# KiCad board ILM139C.kicad_pcb (continued)
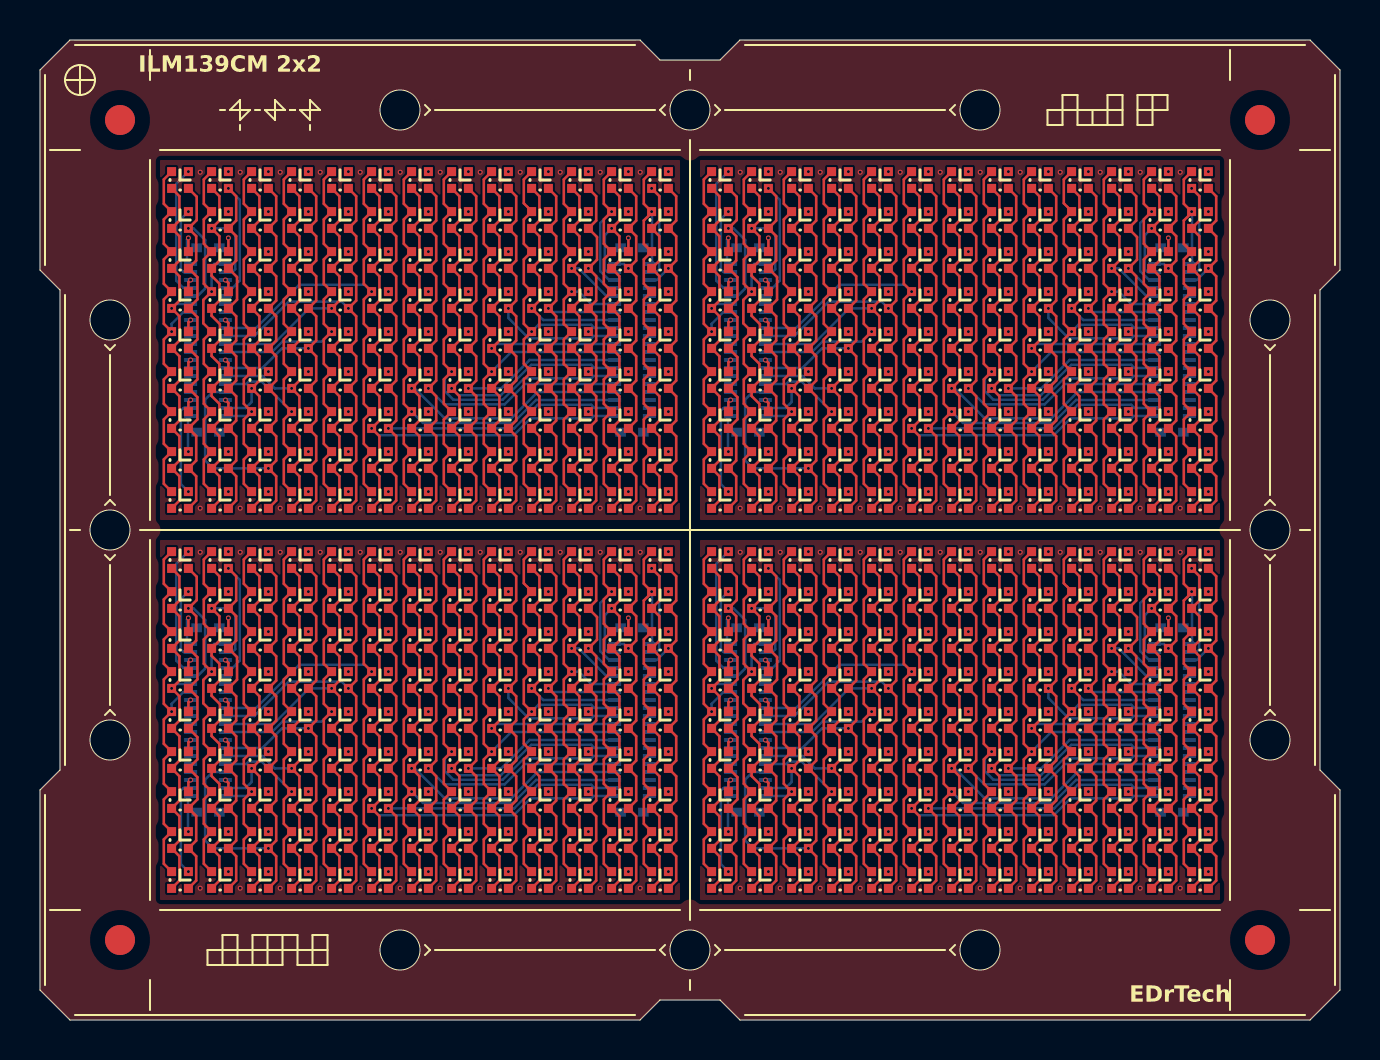
[diagram p0: board, top side]
## Nets (continued)
SW5: CN4.8 CN4.33 CN4#2.8 CN4#2.33 CN4#3.8 CN4#3.33 CN4#4.8 CN4#4.33 U6.1 U6#2.1 U6#3.1 U6#4.1 U15.1 U15#2.1 U15#3.1 U15#4.1 U24.1 U24#2.1 U24#3.1 U24#4.1 U41.1 U41#2.1 U41#3.1 U41#4.1 U42.1 U42#2.1 U42#3.1 U42#4.1 U43.1 U43#2.1 U43#3.1 U43#4.1 U68.1 U68#2.1 U68#3.1 U68#4.1 U69.1 U69#2.1 U69#3.1 U69#4.1 U70.1 U70#2.1 U70#3.1 U70#4.1 U95.1 U95#2.1 U95#3.1 U95#4.1 U96.1 U96#2.1 U96#3.1 U96#4.1 U97.1 U97#2.1 U97#3.1 U97#4.1 U114.1 U114#2.1 U114#3.1 U114#4.1
SW6: CN4.13 CN4.28 CN4#2.13 CN4#2.28 CN4#3.13 CN4#3.28 CN4#4.13 CN4#4.28 U7.1 U7#2.1 U7#3.1 U7#4.1 U16.1 U16#2.1 U16#3.1 U16#4.1 U25.1 U25#2.1 U25#3.1 U25#4.1 U44.1 U44#2.1 U44#3.1 U44#4.1 U45.1 U45#2.1 U45#3.1 U45#4.1 U46.1 U46#2.1 U46#3.1 U46#4.1 U71.1 U71#2.1 U71#3.1 U71#4.1 U72.1 U72#2.1 U72#3.1 U72#4.1 U73.1 U73#2.1 U73#3.1 U73#4.1 U98.1 U98#2.1 U98#3.1 U98#4.1 U99.1 U99#2.1 U99#3.1 U99#4.1 U100.1 U100#2.1 U100#3.1 U100#4.1 U115.1 U115#2.1 U115#3.1 U115#4.1
SW7: CN4.18 CN4.23 CN4#2.18 CN4#2.23 CN4#3.18 CN4#3.23 CN4#4.18 CN4#4.23 U8.1 U8#2.1 U8#3.1 U8#4.1 U17.1 U17#2.1 U17#3.1 U17#4.1 U26.1 U26#2.1 U26#3.1 U26#4.1 U47.1 U47#2.1 U47#3.1 U47#4.1 U48.1 U48#2.1 U48#3.1 U48#4.1 U49.1 U49#2.1 U49#3.1 U49#4.1 U74.1 U74#2.1 U74#3.1 U74#4.1 U75.1 U75#2.1 U75#3.1 U75#4.1 U76.1 U76#2.1 U76#3.1 U76#4.1 U101.1 U101#2.1 U101#3.1 U101#4.1 U102.1 U102#2.1 U102#3.1 U102#4.1 U103.1 U103#2.1 U103#3.1 U103#4.1 U116.1 U116#2.1 U116#3.1 U116#4.1
SW8: CN4.21 CN4#2.21 CN4#3.21 CN4#4.21 U9.1 U9#2.1 U9#3.1 U9#4.1 U18.1 U18#2.1 U18#3.1 U18#4.1 U27.1 U27#2.1 U27#3.1 U27#4.1 U50.1 U50#2.1 U50#3.1 U50#4.1 U51.1 U51#2.1 U51#3.1 U51#4.1 U52.1 U52#2.1 U52#3.1 U52#4.1 U77.1 U77#2.1 U77#3.1 U77#4.1 U78.1 U78#2.1 U78#3.1 U78#4.1 U79.1 U79#2.1 U79#3.1 U79#4.1 U104.1 U104#2.1 U104#3.1 U104#4.1 U105.1 U105#2.1 U105#3.1 U105#4.1 U106.1 U106#2.1 U106#3.1 U106#4.1 U117.1 U117#2.1 U117#3.1 U117#4.1
SW9: CN4.22 CN4#2.22 CN4#3.22 CN4#4.22 U10.1 U10#2.1 U10#3.1 U10#4.1 U19.1 U19#2.1 U19#3.1 U19#4.1 U28.1 U28#2.1 U28#3.1 U28#4.1 U53.1 U53#2.1 U53#3.1 U53#4.1 U54.1 U54#2.1 U54#3.1 U54#4.1 U55.1 U55#2.1 U55#3.1 U55#4.1 U80.1 U80#2.1 U80#3.1 U80#4.1 U81.1 U81#2.1 U81#3.1 U81#4.1 U82.1 U82#2.1 U82#3.1 U82#4.1 U107.1 U107#2.1 U107#3.1 U107#4.1 U108.1 U108#2.1 U108#3.1 U108#4.1 U109.1 U109#2.1 U109#3.1 U109#4.1 U118.1 U118#2.1 U118#3.1 U118#4.1

Pads without a net: CN3 41 42 43 44; CN3#2 41 42 43 44; CN3#3 41 42 43 44; CN3#4 41 42 43 44; CN4 41 42 43 44; CN4#2 41 42 43 44; CN4#3 41 42 43 44; CN4#4 41 42 43 44

## Via types
v1: diameter 0.25, hole 0.15, Top to Bottom, 720 vias

## Routing (per net, layer and track width the routed paths; a pad name or vN(x,y) marks a point on that pad's centre or on a via; arc(x,y) is an arc through that point)
GND:
  vias: v1(8.01,42.39) v1(8.01,25.59) v1(8.01,23.39) v1(8.01,6.59) v1(10.01,42.39) v1(10.01,25.59) v1(10.01,23.39) v1(10.01,6.59) v1(12.01,42.39) v1(12.01,25.59) v1(12.01,23.39) v1(12.01,6.59) v1(14.01,42.39) v1(14.01,25.59) v1(14.01,23.39) v1(14.01,6.59) v1(16.01,42.39) v1(16.01,25.59) v1(16.01,23.39) v1(16.01,6.59) v1(18.01,42.39) v1(18.01,25.59) v1(18.01,23.39) v1(18.01,6.59) v1(20.01,42.39) v1(20.01,25.59) v1(20.01,23.39) v1(20.01,6.59) v1(22.01,42.39) v1(22.01,25.59) v1(22.01,23.39) v1(22.01,6.59) v1(24.01,42.39) v1(24.01,25.59) v1(24.01,23.39) v1(24.01,6.59) v1(26.01,42.39) v1(26.01,25.59) v1(26.01,23.39) v1(26.01,6.59) v1(28.01,42.39) v1(28.01,25.59) v1(28.01,23.39) v1(28.01,6.59) v1(30.01,42.39) v1(30.01,25.59) v1(30.01,23.39) v1(30.01,6.59) v1(35.01,42.39) v1(35.01,25.59) v1(35.01,23.39) v1(35.01,6.59) v1(37.01,42.39) v1(37.01,25.59) v1(37.01,23.39) v1(37.01,6.59) v1(39.01,42.39) v1(39.01,25.59) v1(39.01,23.39) v1(39.01,6.59) v1(41.01,42.39) v1(41.01,25.59) v1(41.01,23.39) v1(41.01,6.59) v1(43.01,42.39) v1(43.01,25.59) v1(43.01,23.39) v1(43.01,6.59) v1(45.01,42.39) v1(45.01,25.59) v1(45.01,23.39) v1(45.01,6.59) v1(47.01,42.39) v1(47.01,25.59) v1(47.01,23.39) v1(47.01,6.59) v1(49.01,42.39) v1(49.01,25.59) v1(49.01,23.39) v1(49.01,6.59) v1(51.01,42.39) v1(51.01,25.59) v1(51.01,23.39) v1(51.01,6.59) v1(53.01,42.39) v1(53.01,25.59) v1(53.01,23.39) v1(53.01,6.59) v1(55.01,42.39) v1(55.01,25.59) v1(55.01,23.39) v1(55.01,6.59) v1(57.01,42.39) v1(57.01,25.59) v1(57.01,23.39) v1(57.01,6.59)
S1: length 80.6
  Top w0.127: U10.4 33.19,26.81 33.19,28.03 U9#4.4 33.19,28.81 33.19,30.03 U8#3.4 33.19,30.81 33.19,32.03 U7#4.4 33.19,32.81 33.19,34.03 v1(33.58,34.42) 33.19,34.81 33.19,36.03 U5.4 33.19,36.81 33.19,38.03 U4#2.4 33.19,38.81 33.19,40.03 U3.4 33.19,40.81 33.19,42.03 U2#4.4 ; U10#3.4 6.19,7.81 6.19,9.03 U9.4 6.19,9.81 6.19,11.03 U8#2.4 6.19,11.81 6.19,13.03 U7#3.4 6.19,13.81 6.19,15.03 v1(6.58,15.42) 6.19,15.81 6.19,17.03 U5#4.4 6.19,17.81 6.19,19.03 U4.4 6.19,19.81 6.19,21.03 U3#2.4 6.19,21.81 6.19,23.03 U2#2.4 ; U10#4.4 33.19,7.81 33.19,9.03 U9#3.4 33.19,9.81 33.19,11.03 U8#4.4 33.19,11.81 33.19,13.03 U7#2.4 33.19,13.81 33.19,15.03 v1(33.58,15.42) 33.19,15.81 33.19,17.03 U5#2.4 33.19,17.81 33.19,19.03 U4#4.4 33.19,19.81 33.19,21.03 U3#4.4 33.19,21.81 33.19,23.03 U2.4 ; U2#3.4 6.19,42.03 6.19,40.81 U3#3.4 6.19,40.03 6.19,38.81 U4#3.4 6.19,38.03 6.19,36.81 U5#3.4 6.19,36.03 6.19,34.81 v1(6.58,34.42) 6.19,34.03 6.19,32.81 U7.4 6.19,32.03 6.19,30.81 U8.4 6.19,30.03 6.19,28.81 U9#2.4 6.19,28.03 6.19,26.81 U10#2.4
  Bottom w0.127: v1(33.58,15.42) 33.58,15.8 34.18,16.4 CN4#3.34 ; v1(6.58,34.42) 6.58,34.8 7.18,35.4 CN4#2.34 ; CN4#4.34 34.18,35.4 33.58,34.8 v1(33.58,34.42) ; v1(6.58,15.42) 6.58,15.8 7.18,16.4 CN4.34
S2: length 78.5
  Top w0.127: U10#4.3 33.97,6.97 33.97,8.19 U9#3.3 33.97,8.97 33.97,10.19 U8#4.3 33.97,10.97 33.97,12.19 U7#2.3 33.97,12.97 33.97,14.19 U6#3.3 33.97,14.97 33.97,16.19 v1(33.58,16.58) 33.97,16.97 33.97,18.19 U4#4.3 33.97,18.97 33.97,20.19 U3#4.3 33.97,20.97 33.97,22.19 U2.3 ; U10#2.3 6.97,25.97 6.97,27.19 U9#2.3 6.97,27.97 6.97,29.19 U8.3 6.97,29.97 6.97,31.19 U7.3 6.97,31.97 6.97,33.19 U6.3 6.97,33.97 6.97,35.19 v1(6.58,35.58) 6.97,35.97 6.97,37.19 U4#3.3 6.97,37.97 6.97,39.19 U3#3.3 6.97,39.97 6.97,41.19 U2#3.3 ; U2#2.3 6.97,22.19 6.97,20.97 U3#2.3 6.97,20.19 6.97,18.97 U4.3 6.97,18.19 6.97,16.97 v1(6.58,16.58) 6.97,16.19 6.97,14.97 U6#4.3 6.97,14.19 6.97,12.97 U7#3.3 6.97,12.19 6.97,10.97 U8#2.3 6.97,10.19 6.97,8.97 U9.3 6.97,8.19 6.97,6.97 U10#3.3 ; U10.3 33.97,25.97 33.97,27.19 U9#4.3 33.97,27.97 33.97,29.19 U8#3.3 33.97,29.97 33.97,31.19 U7#4.3 33.97,31.97 33.97,33.19 U6#2.3 33.97,33.97 33.97,35.19 v1(33.58,35.58) 33.97,35.97 33.97,37.19 U4#2.3 33.97,37.97 33.97,39.19 U3.3 33.97,39.97 33.97,41.19 U2#4.3
  Bottom w0.127: v1(33.58,35.58) 33.8,35.8 CN4#4.35 ; v1(33.58,16.58) 33.8,16.8 CN4#3.35 ; v1(6.58,16.58) 6.8,16.8 CN4.35 ; v1(6.58,35.58) 6.8,35.8 CN4#2.35
S3: length 92.9
  Top w0.127: U10.2 34.81,25.97 34.81,27.19 U9#4.2 34.81,27.97 34.81,29.19 U8#3.2 34.87,30.03 34.87,31.14 34.43,31.58 U7#4.2 34.87,32.03 34.87,33.14 34.43,33.58 U6#2.2 34.87,34.03 34.87,35.14 34.43,35.58 U5.2 34.87,36.03 34.87,37.14 34.43,37.58 U4#2.2 34.81,37.97 34.81,39.19 34.42,39.58 v1(34.42,39.58) 34.83,39.99 34.83,41.17 U2#4.2 ; U10#3.2 7.81,6.97 7.81,8.19 U9.2 7.81,8.97 7.81,10.19 U8#2.2 7.87,11.03 7.87,12.14 7.43,12.58 U7#3.2 7.87,13.03 7.87,14.14 7.43,14.58 U6#4.2 7.87,15.03 7.87,16.14 7.43,16.58 U5#4.2 7.87,17.03 7.87,18.14 7.43,18.58 U4.2 7.81,18.97 7.81,20.19 7.42,20.58 v1(7.42,20.58) 7.83,20.99 7.83,22.17 U2#2.2 ; U10#4.2 34.81,6.97 34.81,8.19 U9#3.2 34.81,8.97 34.81,10.19 U8#4.2 34.87,11.03 34.87,12.14 34.43,12.58 U7#2.2 34.87,13.03 34.87,14.14 34.43,14.58 U6#3.2 34.87,15.03 34.87,16.14 34.43,16.58 U5#2.2 34.87,17.03 34.87,18.14 34.43,18.58 U4#4.2 34.81,18.97 34.81,20.19 34.42,20.58 v1(34.42,20.58) 34.83,20.99 34.83,22.17 U2.2 ; U10#2.2 7.81,25.97 7.81,27.19 U9#2.2 7.81,27.97 7.81,29.19 U8.2 7.87,30.03 7.87,31.14 7.43,31.58 U7.2 7.87,32.03 7.87,33.14 7.43,33.58 U6.2 7.87,34.03 7.87,35.14 7.43,35.58 U5#3.2 7.87,36.03 7.87,37.14 7.43,37.58 U4#3.2 7.81,37.97 7.81,39.19 7.42,39.58 v1(7.42,39.58) 7.83,39.99 7.83,41.17 U2#3.2
  Bottom w0.127: CN4#3.36 34.88,17.2 35.26,17.58 35.26,20 34.68,20.58 v1(34.42,20.58) ; CN4#2.36 7.88,36.2 8.26,36.58 8.26,39 7.68,39.58 v1(7.42,39.58) ; v1(7.42,20.58) 7.68,20.58 8.26,20 8.26,17.58 7.88,17.2 CN4.36 ; CN4#4.36 34.88,36.2 35.26,36.58 35.26,39 34.68,39.58 v1(34.42,39.58)
S4: length 82.4
  Top w0.127: U19#3.4 8.19,7.81 8.19,9.03 U18.4 8.19,9.81 8.19,11.03 U17#2.4 8.19,11.81 8.19,13.03 U16.4 8.19,13.81 8.19,15.03 U15#4.4 8.17,15.83 8.17,17.01 v1(8.58,17.42) 8.19,17.81 8.19,19.03 U13#3.4 8.19,19.81 8.19,21.03 U12#4.4 8.19,21.81 8.19,23.03 U11#3.4 ; U11#2.4 35.19,23.03 35.19,21.81 U12#3.4 35.19,21.03 35.19,19.81 U13#4.4 35.19,19.03 35.19,17.81 v1(35.58,17.42) 35.17,17.01 35.17,15.83 U15#2.4 35.19,15.03 35.19,13.81 U16#4.4 35.19,13.03 35.19,11.81 U17.4 35.19,11.03 35.19,9.81 U18#3.4 35.19,9.03 35.19,7.81 U19.4 ; U11.4 35.19,42.03 35.19,40.81 U12#2.4 35.19,40.03 35.19,38.81 U13#2.4 35.19,38.03 35.19,36.81 v1(35.58,36.42) 35.17,36.01 35.17,34.83 U15#3.4 35.19,34.03 35.19,32.81 U16#3.4 35.19,32.03 35.19,30.81 U17#3.4 35.19,30.03 35.19,28.81 U18#4.4 35.19,28.03 35.19,26.81 U19#4.4 ; U11#4.4 8.19,42.03 8.19,40.81 U12.4 8.19,40.03 8.19,38.81 U13.4 8.19,38.03 8.19,36.81 v1(8.58,36.42) 8.17,36.01 8.17,34.83 U15.4 8.19,34.03 8.19,32.81 U16#2.4 8.19,32.03 8.19,30.81 U17#4.4 8.19,30.03 8.19,28.81 U18#2.4 8.19,28.03 8.19,26.81 U19#2.4
  Bottom w0.127: CN4#2.1 8.7,37.8 8.58,37.67 v1(8.58,36.42) ; CN4#3.1 35.7,18.8 35.58,18.67 v1(35.58,17.42) ; v1(35.58,36.42) 35.58,37.67 35.7,37.8 CN4#4.1 ; CN4.1 8.7,18.8 8.58,18.67 v1(8.58,17.42)
S5: length 88.7
  Top w0.127: U19#4.3 35.97,25.97 35.97,27.19 U18#4.3 35.97,27.97 35.97,29.19 U17#3.3 35.97,29.97 35.97,30.81 35.58,31.2 U16#3.3 35.97,31.97 35.97,32.81 35.58,33.2 U15#3.3 35.99,33.99 35.99,34.8 35.58,35.21 U14.3 35.97,35.97 35.97,36.82 35.58,37.21 U13#2.3 35.97,37.97 35.97,39.19 v1(35.58,39.58) 35.97,39.97 35.97,41.19 U11.3 ; U19.3 35.97,6.97 35.97,8.19 U18#3.3 35.97,8.97 35.97,10.19 U17.3 35.97,10.97 35.97,11.81 35.58,12.2 U16#4.3 35.97,12.97 35.97,13.81 35.58,14.2 U15#2.3 35.99,14.99 35.99,15.8 35.58,16.21 U14#2.3 35.97,16.97 35.97,17.82 35.58,18.21 U13#4.3 35.97,18.97 35.97,20.19 v1(35.58,20.58) 35.97,20.97 35.97,22.19 U11#2.3 ; U19#3.3 8.97,6.97 8.97,8.19 U18.3 8.97,8.97 8.97,10.19 U17#2.3 8.97,10.97 8.97,11.81 8.58,12.2 U16.3 8.97,12.97 8.97,13.81 8.58,14.2 U15#4.3 8.99,14.99 8.99,15.8 8.58,16.21 U14#4.3 8.97,16.97 8.97,17.82 8.58,18.21 U13#3.3 8.97,18.97 8.97,20.19 v1(8.58,20.58) 8.97,20.97 8.97,22.19 U11#3.3 ; U11#4.3 8.97,41.19 8.97,39.97 v1(8.58,39.58) 8.97,39.19 8.97,37.97 U13.3 8.58,37.21 8.97,36.82 8.97,35.97 U14#3.3 8.58,35.21 8.99,34.8 8.99,33.99 U15.3 8.58,33.2 8.97,32.81 8.97,31.97 U16#2.3 8.58,31.2 8.97,30.81 8.97,29.97 U17#4.3 8.97,29.19 8.97,27.97 U18#2.3 8.97,27.19 8.97,25.97 U19#2.3
  Bottom w0.127: v1(35.58,39.58) 36.42,39.58 36.76,39.24 36.76,37.54 36.62,37.4 CN4#4.2 ; v1(35.58,20.58) 36.42,20.58 36.76,20.24 36.76,18.54 36.62,18.4 CN4#3.2 ; v1(8.58,39.58) 9.42,39.58 9.76,39.24 9.76,37.54 9.62,37.4 CN4#2.2 ; v1(8.58,20.58) 9.42,20.58 9.76,20.24 9.76,18.54 9.62,18.4 CN4.2
S6: length 97.4
  Top w0.127: U19#3.2 9.81,6.97 9.81,8.19 U18.2 9.81,8.97 9.81,10.19 U17#2.2 9.81,10.97 9.81,12.19 U16.2 9.81,12.97 9.81,14.19 U15#4.2 9.81,14.97 9.81,16.19 U14#4.2 9.85,17.01 9.85,18.15 U13#3.2 9.81,18.97 9.81,20.19 9.42,20.58 U12#4.2 9.81,20.97 9.81,22.19 v1(9.42,22.58) ; U19#2.2 9.81,25.97 9.81,27.19 U18#2.2 9.81,27.97 9.81,29.19 U17#4.2 9.81,29.97 9.81,31.19 U16#2.2 9.81,31.97 9.81,33.19 U15.2 9.81,33.97 9.81,35.19 U14#3.2 9.85,36.01 9.85,37.15 U13.2 9.81,37.97 9.81,39.19 9.42,39.58 U12.2 9.81,39.97 9.81,41.19 v1(9.42,41.58) ; U19#4.2 36.81,25.97 36.81,27.19 U18#4.2 36.81,27.97 36.81,29.19 U17#3.2 36.81,29.97 36.81,31.19 U16#3.2 36.81,31.97 36.81,33.19 U15#3.2 36.81,33.97 36.81,35.19 U14.2 36.85,36.01 36.85,37.15 U13#2.2 36.81,37.97 36.81,39.19 36.42,39.58 U12#2.2 36.81,39.97 36.81,41.19 v1(36.42,41.58) ; U19.2 36.81,6.97 36.81,8.19 U18#3.2 36.81,8.97 36.81,10.19 U17.2 36.81,10.97 36.81,12.19 U16#4.2 36.81,12.97 36.81,14.19 U15#2.2 36.81,14.97 36.81,16.19 U14#2.2 36.85,17.01 36.85,18.15 U13#4.2 36.81,18.97 36.81,20.19 36.42,20.58 U12#3.2 36.81,20.97 36.81,22.19 v1(36.42,22.58)
  Bottom w0.127: v1(36.42,22.58) 36.99,22.01 36.99,17.96 36.62,17.6 CN4#3.4 ; CN4#4.4 36.62,36.6 36.99,36.96 36.99,41.01 v1(36.42,41.58) ; CN4#2.4 9.62,36.6 9.99,36.96 9.99,41.01 v1(9.42,41.58) ; v1(9.42,22.58) 9.99,22.01 9.99,17.96 9.62,17.6 CN4.4
S7: length 79.9
  Top w0.127: U20.4 37.19,23.03 37.19,21.81 U21#4.4 37.19,21.03 37.19,19.81 U22#2.4 37.19,19.03 37.19,17.81 U23.4 37.19,17.03 37.19,15.81 U24.4 37.19,15.03 37.19,13.81 U25#3.4 37.19,13.03 37.19,11.81 v1(37.58,11.42) 37.19,11.03 37.19,9.81 U27#4.4 37.19,9.03 37.19,7.81 U28.4 ; U20#4.4 10.19,42.03 10.19,40.81 U21#3.4 10.19,40.03 10.19,38.81 U22#4.4 10.19,38.03 10.19,36.81 U23#4.4 10.19,36.03 10.19,34.81 U24#2.4 10.19,34.03 10.19,32.81 U25#4.4 10.19,32.03 10.19,30.81 v1(10.58,30.42) 10.19,30.03 10.19,28.81 U27.4 10.19,28.03 10.19,26.81 U28#2.4 ; U28#3.4 10.19,7.81 10.19,9.03 U27#2.4 10.19,9.81 10.19,11.03 v1(10.58,11.42) 10.19,11.81 10.19,13.03 U25.4 10.19,13.81 10.19,15.03 U24#3.4 10.19,15.81 10.19,17.03 U23#3.4 10.19,17.81 10.19,19.03 U22#3.4 10.19,19.81 10.19,21.03 U21.4 10.19,21.81 10.19,23.03 U20#2.4 ; U20#3.4 37.19,42.03 37.19,40.81 U21#2.4 37.19,40.03 37.19,38.81 U22.4 37.19,38.03 37.19,36.81 U23#2.4 37.19,36.03 37.19,34.81 U24#4.4 37.19,34.03 37.19,32.81 U25#2.4 37.19,32.03 37.19,30.81 v1(37.58,30.42) 37.19,30.03 37.19,28.81 U27#3.4 37.19,28.03 37.19,26.81 U28#4.4
  Bottom w0.127: CN4#2.20 10.36,30.2 v1(10.58,30.42) ; v1(37.58,11.42) 37.36,11.2 CN4#3.20 ; CN4#4.20 37.36,30.2 v1(37.58,30.42) ; v1(10.58,11.42) 10.36,11.2 CN4.20
S8: length 82.8
  Top w0.127: U28#4.3 37.97,25.97 37.97,27.19 U27#3.3 37.97,27.97 37.97,29.19 U26#3.3 37.97,29.97 37.97,31.19 v1(37.58,31.58) 37.97,31.97 37.97,33.19 U24#4.3 37.97,33.97 37.97,35.19 U23#2.3 37.97,35.97 37.97,37.19 U22.3 37.97,37.97 37.97,39.19 U21#2.3 37.97,39.97 37.97,41.19 U20#3.3 ; U28.3 37.97,6.97 37.97,8.19 U27#4.3 37.97,8.97 37.97,10.19 U26.3 37.97,10.97 37.97,12.19 v1(37.58,12.58) 37.97,12.97 37.97,14.19 U24.3 37.97,14.97 37.97,16.19 U23.3 37.97,16.97 37.97,18.19 U22#2.3 37.97,18.97 37.97,20.19 U21#4.3 37.97,20.97 37.97,22.19 U20.3 ; U20#2.3 10.97,22.19 10.97,20.97 U21.3 10.97,20.19 10.97,18.97 U22#3.3 10.97,18.19 10.97,16.97 U23#3.3 10.97,16.19 10.97,14.97 U24#3.3 10.97,14.19 10.97,12.97 v1(10.58,12.58) 10.97,12.19 10.97,10.97 U26#2.3 10.97,10.19 10.97,8.97 U27#2.3 10.97,8.19 10.97,6.97 U28#3.3 ; U28#2.3 10.97,25.97 10.97,27.19 U27.3 10.97,27.97 10.97,29.19 U26#4.3 10.97,29.97 10.97,31.19 v1(10.58,31.58) 10.97,31.97 10.97,33.19 U24#2.3 10.97,33.97 10.97,35.19 U23#4.3 10.97,35.97 10.97,37.19 U22#4.3 10.97,37.97 10.97,39.19 U21#3.3 10.97,39.97 10.97,41.19 U20#4.3
  Bottom w0.127: v1(10.58,31.58) 10.58,30.9 10.28,30.6 CN4#2.19 ; v1(10.58,12.58) 10.58,11.9 10.28,11.6 CN4.19 ; v1(37.58,31.58) 37.58,30.9 37.28,30.6 CN4#4.19 ; CN4#3.19 37.28,11.6 37.58,11.9 v1(37.58,12.58)
S9: length 104.5
  Top w0.127: U28#4.2 38.81,25.97 38.81,27.19 v1(38.42,27.58) 38.81,27.97 38.81,29.19 U26#3.2 38.81,29.97 38.81,31.19 U25#2.2 38.81,31.97 38.81,33.19 U24#4.2 38.81,33.97 38.81,35.19 U23#2.2 38.81,35.97 38.81,37.19 U22.2 38.81,37.97 38.81,39.19 U21#2.2 38.81,39.97 38.81,41.19 U20#3.2 ; U20.2 38.81,22.19 38.81,20.97 U21#4.2 38.81,20.19 38.81,18.97 U22#2.2 38.81,18.19 38.81,16.97 U23.2 38.81,16.19 38.81,14.97 U24.2 38.81,14.19 38.81,12.97 U25#3.2 38.81,12.19 38.81,10.97 U26.2 38.81,10.19 38.81,8.97 v1(38.42,8.58) 38.81,8.19 38.81,6.97 U28.2 ; U28#3.2 11.81,6.97 11.81,8.19 v1(11.42,8.58) 11.81,8.97 11.81,10.19 U26#2.2 11.81,10.97 11.81,12.19 U25.2 11.81,12.97 11.81,14.19 U24#3.2 11.81,14.97 11.81,16.19 U23#3.2 11.81,16.97 11.81,18.19 U22#3.2 11.81,18.97 11.81,20.19 U21.2 11.81,20.97 11.81,22.19 U20#2.2 ; U28#2.2 11.81,25.97 11.81,27.19 v1(11.42,27.58) 11.81,27.97 11.81,29.19 U26#4.2 11.81,29.97 11.81,31.19 U25#4.2 11.81,31.97 11.81,33.19 U24#2.2 11.81,33.97 11.81,35.19 U23#4.2 11.81,35.97 11.81,37.19 U22#4.2 11.81,37.97 11.81,39.19 U21#3.2 11.81,39.97 11.81,41.19 U20#4.2
  Bottom w0.127: v1(38.42,27.58) 35.65,27.58 35.26,27.97 35.26,31.02 35.64,31.4 CN4#4.17 ; v1(11.42,27.58) 8.65,27.58 8.26,27.97 8.26,31.02 8.64,31.4 CN4#2.17 ; CN4.17 8.64,12.4 8.26,12.02 8.26,8.97 8.65,8.58 v1(11.42,8.58) ; v1(38.42,8.58) 35.65,8.58 35.26,8.97 35.26,12.02 35.64,12.4 CN4#3.17
S10: length 90.2
  Top w0.127: U55#4.4 39.19,26.81 39.19,28.03 U52.4 39.19,28.81 39.19,30.03 v1(39.58,30.42) 39.19,30.81 39.19,32.03 U46.4 39.19,32.81 39.19,34.03 U43.4 39.19,34.81 39.19,36.03 U40#4.4 39.19,36.81 39.19,38.03 U37.4 39.19,38.81 39.19,40.03 U34#3.4 39.19,40.81 39.19,42.03 U31.4 ; U55.4 12.19,7.81 12.19,9.03 U52#4.4 12.19,9.81 12.19,11.03 v1(12.58,11.42) 12.19,11.81 12.19,13.03 U46#4.4 12.19,13.81 12.19,15.03 U43#3.4 12.19,15.81 12.19,17.03 U40#2.4 12.19,17.81 12.19,19.03 U37#3.4 12.19,19.81 12.19,21.03 U34#2.4 12.19,21.81 12.19,23.03 U31#2.4 ; U31#3.4 12.19,42.03 12.19,40.81 U34#4.4 12.19,40.03 12.19,38.81 U37#2.4 12.19,38.03 12.19,36.81 U40.4 12.19,36.03 12.19,34.81 U43#4.4 12.19,34.03 12.19,32.81 U46#3.4 12.19,32.03 12.19,30.81 v1(12.58,30.42) 12.19,30.03 12.19,28.81 U52#3.4 12.19,28.03 12.19,26.81 U55#2.4 ; U55#3.4 39.19,7.81 39.19,9.03 U52#2.4 39.19,9.81 39.19,11.03 v1(39.58,11.42) 39.19,11.81 39.19,13.03 U46#2.4 39.19,13.81 39.19,15.03 U43#2.4 39.19,15.81 39.19,17.03 U40#3.4 39.19,17.81 39.19,19.03 U37#4.4 39.19,19.81 39.19,21.03 U34.4 39.19,21.81 39.19,23.03 U31#4.4
  Bottom w0.127: CN4#3.16 37.32,12.8 37.44,12.92 38.08,12.92 v1(39.58,11.42) ; v1(12.58,30.42) 11.08,31.92 10.44,31.92 10.32,31.8 CN4#2.16 ; v1(12.58,11.42) 11.08,12.92 10.44,12.92 10.32,12.8 CN4.16 ; CN4#4.16 37.32,31.8 37.44,31.92 38.08,31.92 v1(39.58,30.42)
S11: length 88.6
  Top w0.127: U31#4.3 39.97,22.19 39.97,20.97 U34.3 39.97,20.19 39.97,18.97 U37#4.3 39.97,18.19 39.97,16.97 U40#3.3 39.97,16.19 39.97,14.97 U43#2.3 39.97,14.19 39.97,12.97 v1(39.58,12.58) 39.97,12.19 39.97,10.97 U49#3.3 39.97,10.19 39.97,8.97 U52#2.3 39.97,8.19 39.97,6.97 U55#3.3 ; U31#3.3 12.97,41.19 12.97,39.97 U34#4.3 12.97,39.19 12.97,37.97 U37#2.3 12.97,37.19 12.97,35.97 U40.3 12.97,35.19 12.97,33.97 U43#4.3 12.97,33.19 12.97,31.97 v1(12.58,31.58) 12.97,31.19 12.97,29.97 U49.3 12.97,29.19 12.97,27.97 U52#3.3 12.97,27.19 12.97,25.97 U55#2.3 ; U55#4.3 39.97,25.97 39.97,27.19 U52.3 39.97,27.97 39.97,29.19 U49#2.3 39.97,29.97 39.97,31.19 v1(39.58,31.58) 39.97,31.97 39.97,33.19 U43.3 39.97,33.97 39.97,35.19 U40#4.3 39.97,35.97 39.97,37.19 U37.3 39.97,37.97 39.97,39.19 U34#3.3 39.97,39.97 39.97,41.19 U31.3 ; U55.3 12.97,6.97 12.97,8.19 U52#4.3 12.97,8.97 12.97,10.19 U49#4.3 12.97,10.97 12.97,12.19 v1(12.58,12.58) 12.97,12.97 12.97,14.19 U43#3.3 12.97,14.97 12.97,16.19 U40#2.3 12.97,16.97 12.97,18.19 U37#3.3 12.97,18.97 12.97,20.19 U34#2.3 12.97,20.97 12.97,22.19 U31#2.3
  Bottom w0.127: CN4#4.15 38.12,32.2 38.74,31.58 v1(39.58,31.58) ; v1(39.58,12.58) 38.74,12.58 38.12,13.2 CN4#3.15 ; CN4#2.15 11.12,32.2 11.74,31.58 v1(12.58,31.58) ; v1(12.58,12.58) 11.74,12.58 11.12,13.2 CN4.15
S12: length 92.5
  Top w0.127: U31#3.2 13.81,41.19 13.81,39.97 U34#4.2 13.81,39.19 13.81,37.97 U37#2.2 13.81,37.19 13.81,35.97 U40.2 13.81,35.19 13.81,33.97 v1(13.42,33.58) 13.81,33.19 13.81,31.97 U46#3.2 13.81,31.19 13.81,29.97 U49.2 13.81,29.19 13.81,27.97 U52#3.2 13.81,27.19 13.81,25.97 U55#2.2 ; U55#3.2 40.81,6.97 40.81,8.19 U52#2.2 40.81,8.97 40.81,10.19 U49#3.2 40.81,10.97 40.81,12.19 U46#2.2 40.81,12.97 40.81,14.19 v1(40.42,14.58) 40.81,14.97 40.81,16.19 U40#3.2 40.81,16.97 40.81,18.19 U37#4.2 40.81,18.97 40.81,20.19 U34.2 40.81,20.97 40.81,22.19 U31#4.2 ; U31#2.2 13.81,22.19 13.81,20.97 U34#2.2 13.81,20.19 13.81,18.97 U37#3.2 13.81,18.19 13.81,16.97 U40#2.2 13.81,16.19 13.81,14.97 v1(13.42,14.58) 13.81,14.19 13.81,12.97 U46#4.2 13.81,12.19 13.81,10.97 U49#4.2 13.81,10.19 13.81,8.97 U52#4.2 13.81,8.19 13.81,6.97 U55.2 ; U55#4.2 40.81,25.97 40.81,27.19 U52.2 40.81,27.97 40.81,29.19 U49#2.2 40.81,29.97 40.81,31.19 U46.2 40.81,31.97 40.81,33.19 v1(40.42,33.58) 40.81,33.97 40.81,35.19 U40#4.2 40.81,35.97 40.81,37.19 U37.2 40.81,37.97 40.81,39.19 U34#3.2 40.81,39.97 40.81,41.19 U31.2
  Bottom w0.127: CN4#2.14 11.12,32.6 12.1,33.58 v1(13.42,33.58) ; CN4#4.14 38.12,32.6 39.1,33.58 v1(40.42,33.58) ; CN4.14 11.12,13.6 12.1,14.58 v1(13.42,14.58) ; v1(40.42,14.58) 39.1,14.58 38.12,13.6 CN4#3.14
S13: length 97.3
  Top w0.127: U54#4.4 41.19,7.81 41.19,9.03 U51#4.4 41.19,9.81 41.19,11.03 U48.4 41.19,11.81 41.19,13.03 U45#4.4 41.19,13.81 41.19,15.03 v1(41.58,15.42) 41.19,15.81 41.19,17.03 U39#3.4 41.19,17.81 41.19,19.03 U36#4.4 41.19,19.81 41.19,21.03 U33.4 41.19,21.81 41.19,23.03 U30#4.4 ; U30#3.4 14.19,42.03 14.19,40.81 U33#4.4 14.19,40.03 14.19,38.81 U36#3.4 14.19,38.03 14.19,36.81 U39#4.4 14.19,36.03 14.19,34.81 v1(14.58,34.42) 14.19,34.03 14.19,32.81 U45#3.4 14.19,32.03 14.19,30.81 U48#2.4 14.19,30.03 14.19,28.81 U51#3.4 14.19,28.03 14.19,26.81 U54#2.4 ; U30.4 41.19,42.03 41.19,40.81 U33#3.4 41.19,40.03 41.19,38.81 U36#2.4 41.19,38.03 41.19,36.81 U39#2.4 41.19,36.03 41.19,34.81 v1(41.58,34.42) 41.19,34.03 41.19,32.81 U45.4 41.19,32.03 41.19,30.81 U48#3.4 41.19,30.03 41.19,28.81 U51#2.4 41.19,28.03 41.19,26.81 U54#3.4 ; U30#2.4 14.19,23.03 14.19,21.81 U33#2.4 14.19,21.03 14.19,19.81 U36.4 14.19,19.03 14.19,17.81 U39.4 14.19,17.03 14.19,15.81 v1(14.58,15.42) 14.19,15.03 14.19,13.81 U45#2.4 14.19,13.03 14.19,11.81 U48#4.4 14.19,11.03 14.19,9.81 U51.4 14.19,9.03 14.19,7.81 U54.4
  Bottom w0.127: CN4#3.12 38.6,14.4 39.12,14.92 41.08,14.92 v1(41.58,15.42) ; CN4#4.12 38.6,33.4 39.12,33.92 41.08,33.92 v1(41.58,34.42) ; v1(14.58,15.42) 14.08,14.92 12.12,14.92 11.6,14.4 CN4.12 ; CN4#2.12 11.6,33.4 12.12,33.92 14.08,33.92 v1(14.58,34.42)
S14: length 98.5
  Top w0.127: U54.3 14.97,6.97 14.97,8.19 U51.3 14.97,8.97 14.97,10.19 U48#4.3 14.97,10.97 14.97,12.19 U45#2.3 14.97,12.97 14.97,14.19 U42#2.3 14.97,14.97 14.97,16.19 v1(14.58,16.58) 14.97,16.97 14.97,18.19 U36.3 14.97,18.97 14.97,20.19 U33#2.3 14.97,20.97 14.97,22.19 U30#2.3 ; U30#3.3 14.97,41.19 14.97,39.97 U33#4.3 14.97,39.19 14.97,37.97 U36#3.3 14.97,37.19 14.97,35.97 v1(14.58,35.58) 14.97,35.19 14.97,33.97 U42#3.3 14.97,33.19 14.97,31.97 U45#3.3 14.97,31.19 14.97,29.97 U48#2.3 14.97,29.19 14.97,27.97 U51#3.3 14.97,27.19 14.97,25.97 U54#2.3 ; U30.3 41.97,41.19 41.97,39.97 U33#3.3 41.97,39.19 41.97,37.97 U36#2.3 41.97,37.19 41.97,35.97 v1(41.58,35.58) 41.97,35.19 41.97,33.97 U42.3 41.97,33.19 41.97,31.97 U45.3 41.97,31.19 41.97,29.97 U48#3.3 41.97,29.19 41.97,27.97 U51#2.3 41.97,27.19 41.97,25.97 U54#3.3 ; U30#4.3 41.97,22.19 41.97,20.97 U33.3 41.97,20.19 41.97,18.97 U36#4.3 41.97,18.19 41.97,16.97 v1(41.58,16.58) 41.97,16.19 41.97,14.97 U42#4.3 41.97,14.19 41.97,12.97 U45#4.3 41.97,12.19 41.97,10.97 U48.3 41.97,10.19 41.97,8.97 U51#4.3 41.97,8.19 41.97,6.97 U54#4.3
  Bottom w0.127: v1(41.58,16.58) 40.45,16.58 38.67,14.8 CN4#3.11 ; v1(14.58,16.58) 13.45,16.58 11.67,14.8 CN4.11 ; CN4#2.11 11.67,33.8 13.45,35.58 v1(14.58,35.58) ; CN4#4.11 38.67,33.8 40.45,35.58 v1(41.58,35.58)
S15: length 102.3
  Top w0.127: U30.2 42.81,41.19 42.81,39.97 U33#3.2 42.81,39.19 42.81,37.97 U36#2.2 42.81,37.19 42.81,35.97 v1(42.42,35.58) 42.81,35.19 42.81,33.97 U42.2 42.81,33.19 42.81,31.97 U45.2 42.81,31.19 42.81,29.97 U48#3.2 42.81,29.19 42.81,27.97 U51#2.2 42.81,27.19 42.81,25.97 U54#3.2 ; U54.2 15.81,6.97 15.81,8.19 U51.2 15.81,8.97 15.81,10.19 U48#4.2 15.81,10.97 15.81,12.19 U45#2.2 15.81,12.97 15.81,14.19 U42#2.2 15.81,14.97 15.81,16.19 v1(15.42,16.58) 15.81,16.97 15.81,18.19 U36.2 15.81,18.97 15.81,20.19 U33#2.2 15.81,20.97 15.81,22.19 U30#2.2 ; U30#4.2 42.81,22.19 42.81,20.97 U33.2 42.81,20.19 42.81,18.97 U36#4.2 42.81,18.19 42.81,16.97 v1(42.42,16.58) 42.81,16.19 42.81,14.97 U42#4.2 42.81,14.19 42.81,12.97 U45#4.2 42.81,12.19 42.81,10.97 U48.2 42.81,10.19 42.81,8.97 U51#4.2 42.81,8.19 42.81,6.97 U54#4.2 ; U30#3.2 15.81,41.19 15.81,39.97 U33#4.2 15.81,39.19 15.81,37.97 U36#3.2 15.81,37.19 15.81,35.97 v1(15.42,35.58) 15.81,35.19 15.81,33.97 U42#3.2 15.81,33.19 15.81,31.97 U45#3.2 15.81,31.19 15.81,29.97 U48#2.2 15.81,29.19 15.81,27.97 U51#3.2 15.81,27.19 15.81,25.97 U54#2.2
  Bottom w0.127: v1(15.42,35.58) 15.08,35.92 12.44,35.92 10.72,34.2 CN4#2.10 ; CN4#4.10 37.72,34.2 39.44,35.92 42.08,35.92 v1(42.42,35.58) ; CN4.10 10.72,15.2 12.44,16.92 15.08,16.92 v1(15.42,16.58) ; CN4#3.10 37.72,15.2 39.44,16.92 42.08,16.92 v1(42.42,16.58)
S16: length 107.7
  Top w0.127: U53#2.4 16.19,26.81 16.19,28.03 U50#3.4 16.19,28.81 16.19,30.03 U47#2.4 16.19,30.81 16.19,32.03 U44#2.4 16.19,32.81 16.19,34.03 U41#2.4 16.19,34.81 16.19,36.03 v1(16.58,36.42) 16.19,36.81 16.19,38.03 U35.4 16.19,38.81 16.19,40.03 U32#2.4 16.19,40.81 16.19,42.03 U29#3.4 ; U53#3.4 16.19,7.81 16.19,9.03 U50#2.4 16.19,9.81 16.19,11.03 U47#3.4 16.19,11.81 16.19,13.03 U44.4 16.19,13.81 16.19,15.03 U41.4 16.19,15.81 16.19,17.03 v1(16.58,17.42) 16.19,17.81 16.19,19.03 U35#3.4 16.19,19.81 16.19,21.03 U32.4 16.19,21.81 16.19,23.03 U29.4 ; U53#4.4 43.19,7.81 43.19,9.03 U50.4 43.19,9.81 43.19,11.03 U47.4 43.19,11.81 43.19,13.03 U44#4.4 43.19,13.81 43.19,15.03 U41#4.4 43.19,15.81 43.19,17.03 v1(43.58,17.42) 43.19,17.81 43.19,19.03 U35#2.4 43.19,19.81 43.19,21.03 U32#3.4 43.19,21.81 43.19,23.03 U29#2.4 ; U29#4.4 43.19,42.03 43.19,40.81 U32#4.4 43.19,40.03 43.19,38.81 U35#4.4 43.19,38.03 43.19,36.81 v1(43.58,36.42) 43.19,36.03 43.19,34.81 U41#3.4 43.19,34.03 43.19,32.81 U44#3.4 43.19,32.03 43.19,30.81 U47#4.4 43.19,30.03 43.19,28.81 U50#4.4 43.19,28.03 43.19,26.81 U53.4